# Altium PCB DCAR_Motors_Relays.PcbDoc (part 4 of 4) (continued)
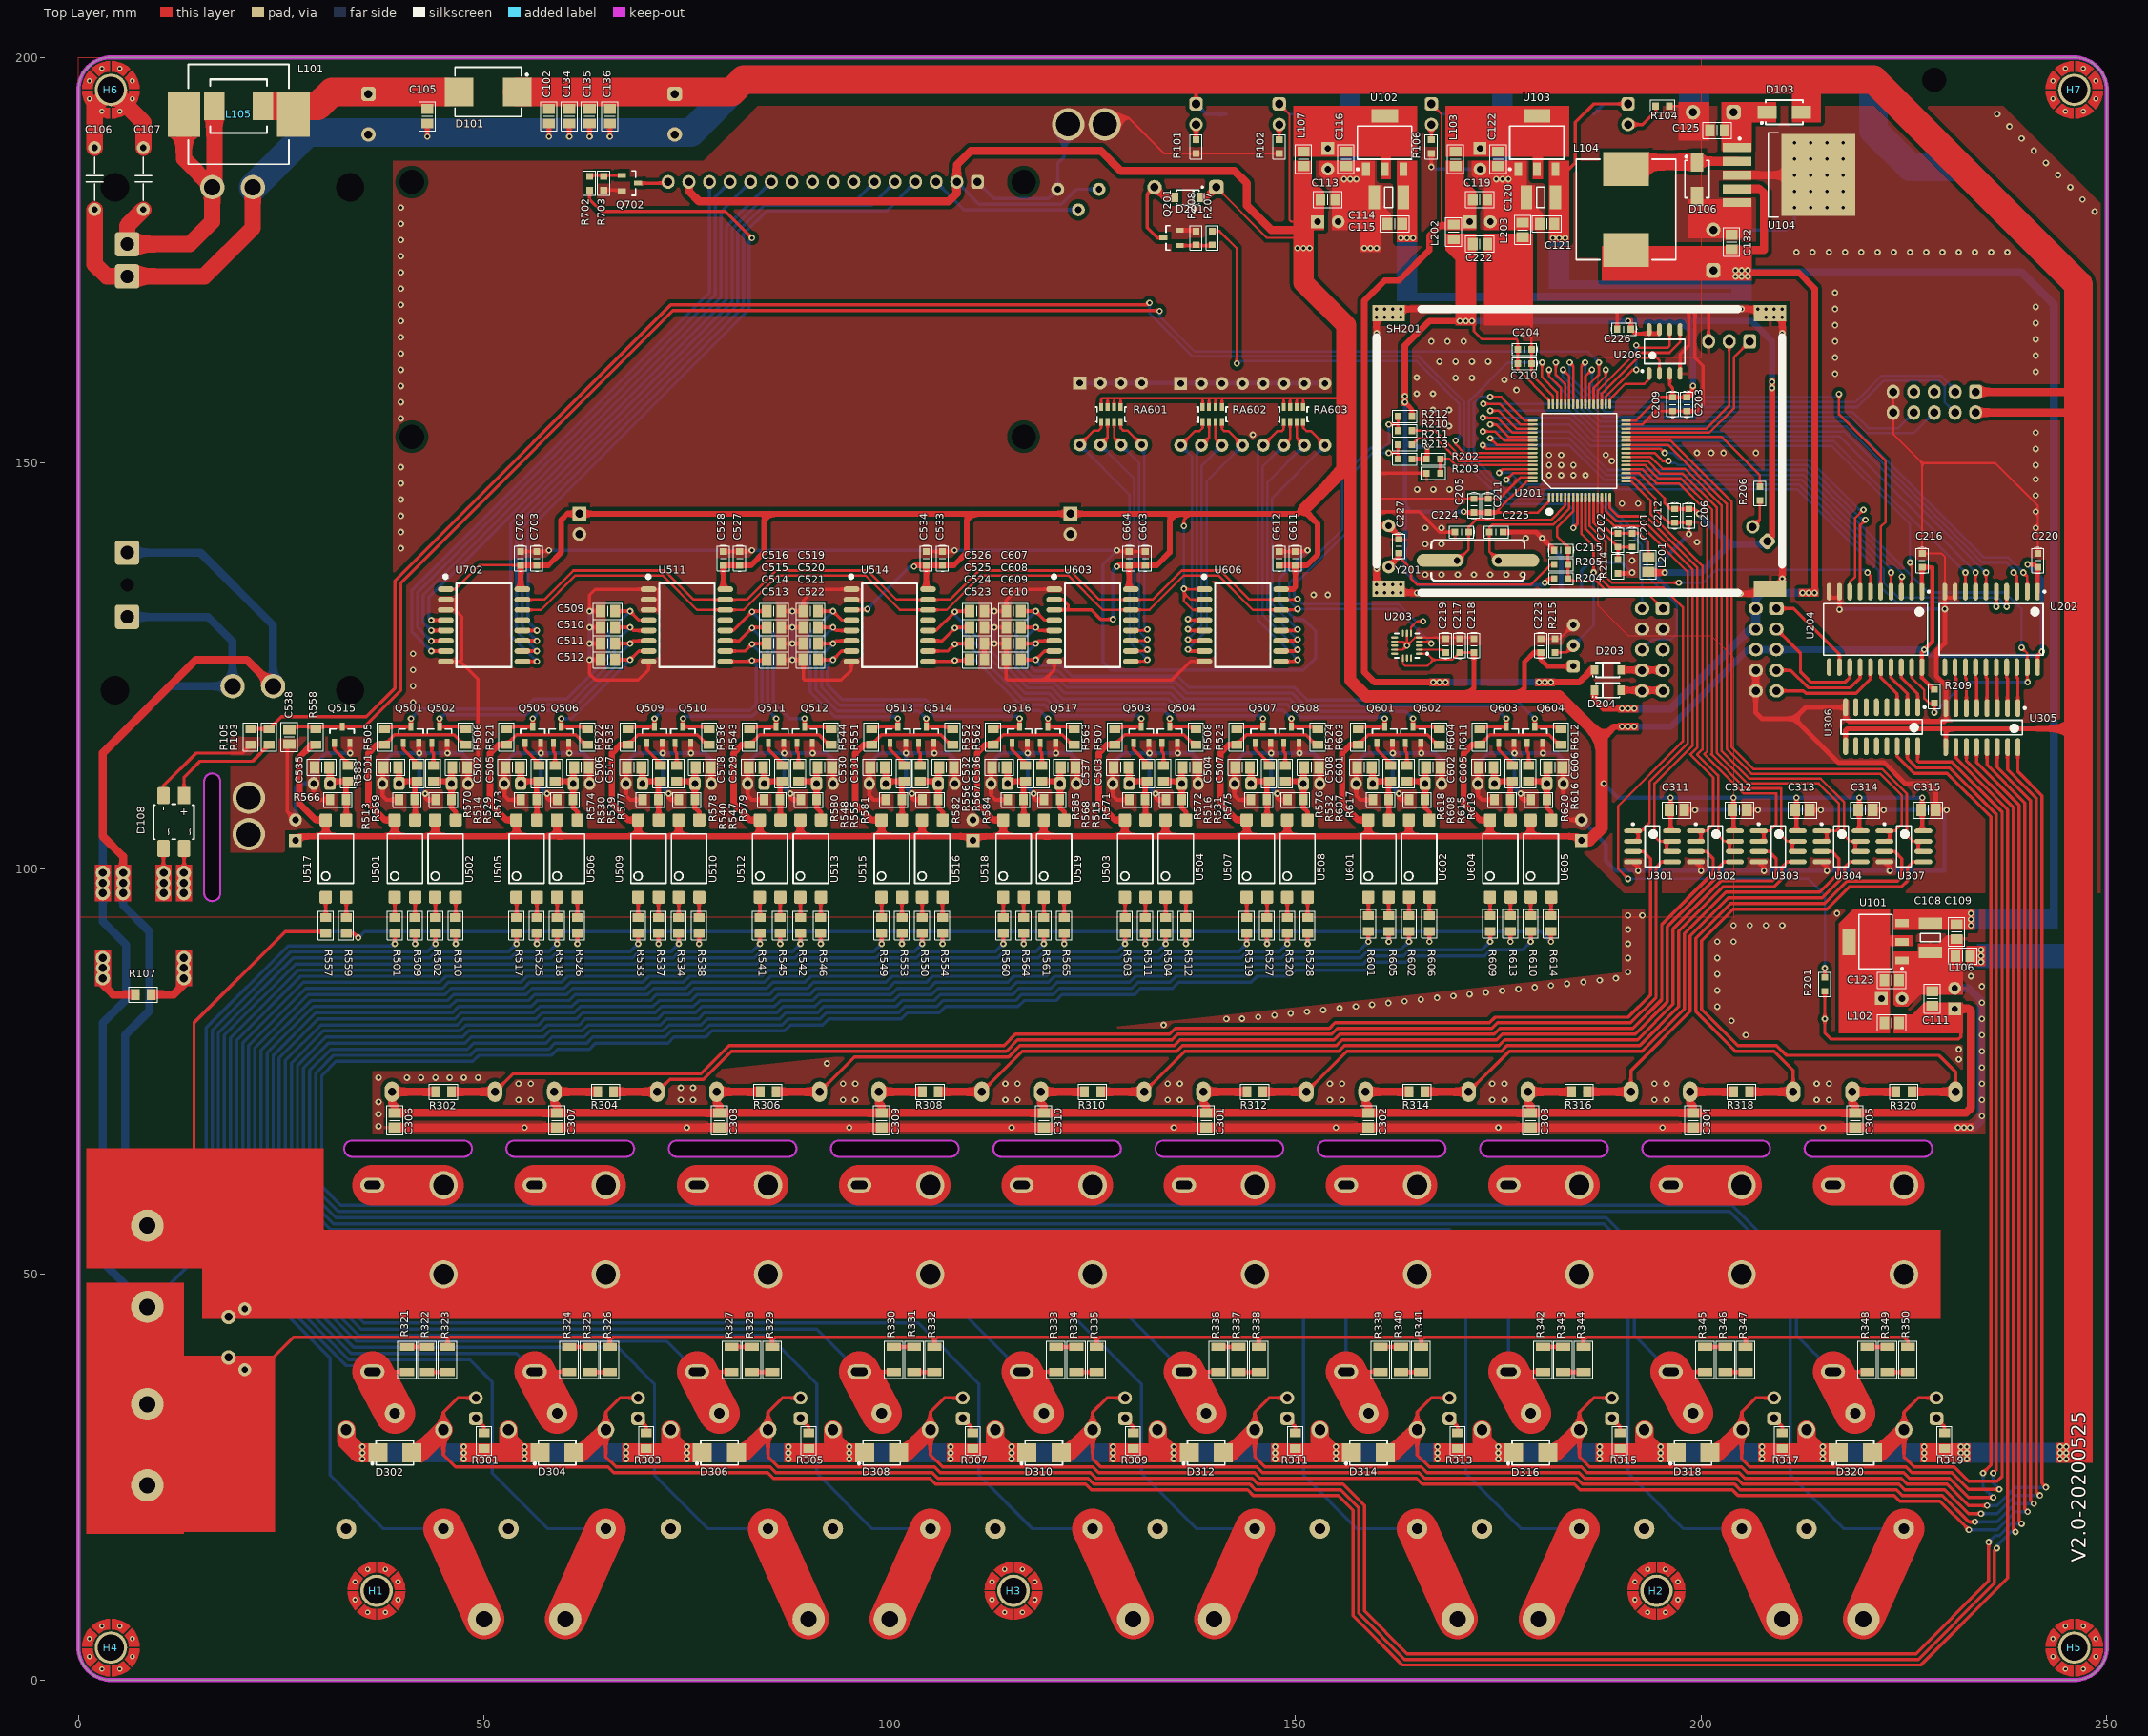
[diagram p0: Top Layer view]
## Nets (pads, with @x,y where several pads share a name; then routed paths per layer and width w, separated by ;. In a path a pad name is that pad's centre, name@x,y a point inside that pad or via, vN(x,y) a via of type N, cw(c..) or ccw(c..) an arc to the next point about the centre after c; other vN are vias at no path point) (continued)
  Bottom Layer w0.4: v1(71,118.5) 72,119.5 82.76,119.5 83.55,120.29 83.55,125.15 v1(83.025,125.675)
SAC13: C515.2 Q511.3 R543.1 U511.11 | length 22.6
  Top Layer w0.4: U511.11@79.725,128.095 81.445,128.095 83.1,129.75 C515.2@84.85,129.75 ; R543.1@82.75,117.225 83.025,117.5 Q511.3@86,117.5 v1(86,118.5)
  Bottom Layer w0.4: v1(83.025,129.675) 84.95,127.75 84.95,119.55 v1(86,118.5)
SAC14: C519.2 Q513.3 R551.1 U514.4 | length 32.2
  Top Layer w0.4: C519.2@91.15,131.75 v1(93,131.75) 94.115,130.635 U514.4@95.275,130.635 ; R551.1@97.75,117.225 98.025,117.5 Q513.3@101,117.5 v1(101,118.5)
  Bottom Layer w0.4: v1(93,131.75) 90.2,128.95 90.2,121.8 93.25,118.75 100.75,118.75 v1(101,118.5)
SAC15: C521.2 Q516.3 R562.1 U514.6 | length 40.6
  Top Layer w0.4: C521.2@91.15,127.75 v1(93,127.75) 93.345,128.095 U514.6@95.275,128.095 ; R562.1@112.75,117.225 113.025,117.5 Q516.3@116,117.5 v1(116,118.5)
  Bottom Layer w0.4: v1(93,127.75) 91.6,126.35 91.6,122.38 93.83,120.15 104.123,120.15 105.473,118.8 115.7,118.8 v1(116,118.5)
SAC16: C523.2 Q503.3 R507.1 U514.9 | length 35.5
  Top Layer w0.4: U514.9@104.725,125.555 107.905,125.555 v1(108.025,125.675) 109.775,125.675 C523.2@109.85,125.75 ; R507.1@127.75,117.225 128.025,117.5 Q503.3@131,117.5 v1(131,118.5)
  Bottom Layer w0.4: v1(108.025,125.675) 110.635,125.675 116.11,120.2 119.073,120.2 120.423,118.85 130.65,118.85 v1(131,118.5)
SAC17: C525.2 Q507.3 R523.1 U514.11 | length 52.8
  Top Layer w0.4: U514.11@104.725,128.095 106.445,128.095 108.1,129.75 C525.2@109.85,129.75 ; R523.1@142.75,117.225 143.025,117.5 Q507.3@146,117.5 v1(146,118.5)
  Bottom Layer w0.4: v1(108.025,129.675) 108.615,129.675 116.69,121.6 119.653,121.6 121.003,120.25 134.023,120.25 135.423,118.85 145.65,118.85 v1(146,118.5)
SAC18: C607.2 Q601.3 R603.1 U603.4 | length 65
  Top Layer w0.4: C607.2@116.15,131.75 v1(118,131.75) 119.115,130.635 U603.4@120.275,130.635 ; R603.1@157.75,117.225 158.025,117.5 Q601.3@161,117.5 v1(161,118.5)
  Bottom Layer w0.4: v1(118,131.75) 115.6,129.35 115.6,124.67 117.27,123 120.233,123 121.583,121.65 134.603,121.65 136.003,120.25 149.023,120.25 150.573,118.7 160.8,118.7 v1(161,118.5)
SAC19: C609.2 Q603.3 R611.1 U603.6 | length 73.3
  Top Layer w0.4: C609.2@116.15,127.75 v1(118,127.75) 118.345,128.095 U603.6@120.275,128.095 ; R611.1@172.75,117.225 173.025,117.5 Q603.3@176,117.5 v1(176,118.5)
  Bottom Layer w0.4: v1(118,127.75) 117,126.75 117,125.25 117.85,124.4 120.812,124.4 122.162,123.05 135.183,123.05 136.583,121.65 149.603,121.65 151.153,120.1 174.4,120.1 v1(176,118.5)
SAC20: C510.2 Q502.3 R506.1 U511.5 | length 37.7
  Top Layer w0.4: v1(44.5,118.5) Q502.3@44.5,117.5 47.225,117.5 R506.1@47.5,117.225 ; C510.2@66.15,129.75 v1(68,129.75) 68.385,129.365 U511.5@70.275,129.365
  Bottom Layer w0.4: v1(44.5,118.5) 45,119 55.227,119 56.427,120.2 60.46,120.2 66.055,125.795 66.055,127.805 v1(68,129.75)
SAC21: C512.2 Q506.3 R522.1 U511.7 | length 20.2
  Top Layer w0.4: v1(59.5,118.5) Q506.3@59.5,117.5 62.225,117.5 R522.1@62.5,117.225 ; C512.2@66.15,125.75 v1(68,125.75) 69.075,126.825 U511.7@70.275,126.825
  Bottom Layer w0.4: v1(59.5,118.5) 60.75,118.5 v1(68,125.75)
SAC22: C514.2 Q510.3 R536.1 U511.10 | length 28.2
  Top Layer w0.4: v1(74.5,118.5) Q510.3@74.5,117.5 77.225,117.5 R536.1@77.5,117.225 ; U511.10@79.725,126.825 82.175,126.825 v1(83.025,127.675) 83.1,127.75 C514.2@84.85,127.75
  Bottom Layer w0.4: v1(74.5,118.5) 74.8,118.8 83.05,118.8 84.25,120 84.25,126.45 v1(83.025,127.675)
SAC23: C516.2 Q512.3 R544.1 U511.12 | length 27.2
  Top Layer w0.4: U511.12@79.725,129.365 80.715,129.365 v1(83.025,131.675) 83.1,131.75 C516.2@84.85,131.75 ; v1(89.5,118.5) Q512.3@89.5,117.5 92.225,117.5 R544.1@92.5,117.225
  Bottom Layer w0.4: v1(83.025,131.675) 85.65,129.05 85.65,120.5 87.65,118.5 v1(89.5,118.5)
SAC24: C520.2 Q514.3 R552.1 U514.5 | length 32
  Top Layer w0.4: C520.2@91.15,129.75 v1(93,129.75) 93.385,129.365 U514.5@95.275,129.365 ; v1(104.5,118.5) Q514.3@104.5,117.5 107.225,117.5 R552.1@107.5,117.225
  Bottom Layer w0.4: v1(93,129.75) 90.9,127.65 90.9,122.09 93.54,119.45 103.55,119.45 v1(104.5,118.5)
SAC25: C522.2 Q517.3 R563.1 U514.7 | length 41
  Top Layer w0.4: C522.2@91.15,125.75 v1(93,125.75) 94.075,126.825 U514.7@95.275,126.825 ; v1(119.5,118.5) Q517.3@119.5,117.5 122.225,117.5 R563.1@122.5,117.225
  Bottom Layer w0.4: v1(93,125.75) 92.3,125.05 92.3,122.67 94.12,120.85 104.413,120.85 105.763,119.5 118.5,119.5 v1(119.5,118.5)
SAC26: C524.2 Q504.3 R508.1 U514.10 | length 40.1
  Top Layer w0.4: U514.10@104.725,126.825 107.175,126.825 v1(108.025,127.675) 108.1,127.75 C524.2@109.85,127.75 ; v1(134.5,118.5) Q504.3@134.5,117.5 137.225,117.5 R508.1@137.5,117.225
  Bottom Layer w0.4: v1(108.025,127.675) 109.625,127.675 116.4,120.9 119.363,120.9 120.713,119.55 133.733,119.55 134.5,118.783 v1(134.5,118.5)
SAC27: C526.2 Q508.3 R524.1 U514.12 | length 57.4
  Top Layer w0.4: U514.12@104.725,129.365 105.715,129.365 v1(108.025,131.675) 108.1,131.75 C526.2@109.85,131.75 ; v1(149.5,118.5) Q508.3@149.5,117.5 152.225,117.5 R524.1@152.5,117.225
  Bottom Layer w0.4: v1(108.025,131.675) 108.025,131.255 116.98,122.3 119.943,122.3 121.293,120.95 134.313,120.95 135.713,119.55 148.45,119.55 v1(149.5,118.5)
SAC28: C608.2 Q602.3 R604.1 U603.5 | length 64.8
  Top Layer w0.4: C608.2@116.15,129.75 v1(118,129.75) 118.385,129.365 U603.5@120.275,129.365 ; v1(164.5,118.5) Q602.3@164.5,117.5 167.225,117.5 R604.1@167.5,117.225
  Bottom Layer w0.4: v1(118,129.75) 116.3,128.05 116.3,124.96 117.56,123.7 120.523,123.7 121.873,122.35 134.893,122.35 136.293,120.95 149.313,120.95 150.863,119.4 163.6,119.4 v1(164.5,118.5)
SAC29: C610.2 Q604.3 R612.1 U603.7 | length 73.3
  Top Layer w0.4: C610.2@116.15,125.75 v1(118,125.75) 119.075,126.825 U603.7@120.275,126.825 ; v1(179.5,118.5) Q604.3@179.5,117.5 182.225,117.5 R612.1@182.5,117.225
  Bottom Layer w0.4: v1(118,125.75) 118,125.6 118.5,125.1 121.102,125.1 122.452,123.75 135.473,123.75 136.873,122.35 149.893,122.35 151.443,120.8 177.2,120.8 v1(179.5,118.5)
SPI2_MISO: U201.35 U206.2 | length 12
  Top Layer w0.3: U201.35@187.75,157.25 187.75,158.553 192.197,163 194.5,163 194.865,162.635 U206.2@194.865,161.05
SPI2_MOSI: U201.36 U206.5 | length 15.8
  Top Layer w0.3: U201.36@187.25,157.25 187.25,158.901 191.948,163.6 196.1,163.6 197.405,164.905 U206.5@197.405,166.45
SPI2_NSS: U201.33 U206.1 | length 7.2
  Top Layer w0.3: U201.33@188.75,157.25 188.75,157.856 190.644,159.75 193,159.75 193.595,160.345 U206.1@193.595,161.05
SPI2_SCK: U201.34 U206.6 | length 15.4
  Top Layer w0.3: U201.34@188.25,157.25 188.25,158.204 191.546,161.5 v1(192,161.5) ; v1(192,164.5) 192.3,164.2 195.851,164.2 196.135,164.484 U206.6@196.135,166.45
  Bottom Layer w0.3: v1(192,161.5) v1(192,164.5)
SWCLK: P202.6 U201.49 | length 58.9
  Top Layer w0.3: v1(174,158.15) 175.35,158.15 178.25,155.25 U201.49@179.25,155.25
  Bottom Layer w0.3: v1(174,158.15) 172.798,158.15 172,157.352 172,150.6 176.45,146.15 187.266,146.15 193.33,140.086 193.33,136.17 197,132.5 197,129 196.25,128.25 193.98,128.25 P202.6@192.73,127
SWDIO: P202.2 U201.46 | length 57.3
  Top Layer w0.3: v1(180.4,162.4) 180.4,160.6 182.25,158.75 U201.46@182.25,157.5
  Bottom Layer w0.3: v1(180.4,162.4) 176.199,162.4 171.4,157.601 171.4,150.351 176.201,145.55 187.018,145.55 192.73,139.838 P202.2@192.73,132.08
UART3_RX: P203.2 U201.30 | length 21.8
  Top Layer w0.3: U201.30@190.75,154.25 200.651,154.25 203.46,157.059 P203.2@203.46,165
UART3_TX: P203.1 U201.29 | length 23.6
  Top Layer w0.3: U201.29@190.75,153.75 201,153.75 204.06,156.81 204.06,163.06 P203.1@206,165
UART_RXD: M401.6 U201.43 | length 54.9
  Top Layer w0.3: v1(182.95,161.5) 183.75,160.7 U201.43@183.75,157.5
  Bottom Layer w0.3: v1(182.95,161.5) 182.95,160.656 187.906,155.7 218.393,155.7 220.393,153.7 226.22,153.7 M401.6@228.75,156.23
UART_TXD: M401.8 U201.42 | length 52.7
  Top Layer w0.3: v1(183.8,162.4) 184.25,161.95 U201.42@184.25,157.5
  Bottom Layer w0.3: v1(183.8,162.4) 183.8,160.654 188.154,156.3 218.641,156.3 220.641,154.3 224.28,154.3 M401.8@226.21,156.23
VCC: C119.1 C129.1 D105.1 D203.2 L103.2 L202.1 VCC.1 | length 112.1
  Top Layer w0.25: D105.1@166.75,194.27 168,193.02 168,179.75 168.35,179.4 L202.1@169.5,179.4
  Top Layer w0.8: v1(168.5,123) v1(167.75,123) v1(167,123) 159.75,123 158.5,124.25 158.5,170 161,172.5 162.75,172.5 166.5,176.25 166.5,178 167.75,179.25 169.35,179.25 L202.1@169.5,179.4 ; v1(180,123) v1(180.75,123) v1(181.5,123) 185,123 186.5,124.5 D203.2@186.86,124.5
  Bottom Layer w0.25: D105.1@166.75,194.27 168.02,193 VCC.1@170.5,193
  Bottom Layer w0.8: v1(168.5,123) v1(180,123)
VDD: C203.1 C204.1 C205.1 C206.1 C209.1 C210.1 C211.1 C212.1 C222.1 C226.1 D202.1 L201.1 L202.2 R202.2 R204.2 R212.2 R213.2 U201.1 U201.19 U201.32 U201.48 U201.64 U206.3 U206.7 U206.8 | length 227.9
  Top Layer w0.3: v1(170.75,144) v1@170.85,143.9 ; v1@172,167.5 172,166.25 173,165.25 177.25,165.25 177.4,165.1 C204.1@177.4,164 C210.1@177.4,162.25 177.4,161.6 181.25,157.75 U201.48@181.25,157.5 ; U201.64@179.25,147.75 178.5,147.75 174.65,143.9 179.9,143.9 181.25,145.25 U201.1@181.25,145.75 ; U201.19@190.75,148.75 192.401,148.75 195.5,145.651 ; U201.32@190.75,155.25 192,155.25 194.85,158.1
  Top Layer w0.4: 194.85,158.1 C209.1@196.5,158.1 ; 195.5,145.651 195.5,145.1 196.25,144.35 C212.1@196.75,144.35 C206.1@198.5,144.35 199.15,144.35 v1(199.75,143.75) ; U206.3@196.135,161.05 196.135,159.615 196.5,159.25 C209.1@196.5,158.1 ; C203.1@198.25,158.1 C209.1@196.5,158.1
  Top Layer w0.5: v1(163.5,157.5) 164.35,156.65 R212.2@164.35,155.75 ; R213.2@164.35,150.5 R202.2@166.15,150.5 166.25,150.6 v1(166.25,152) ; v1@170.85,143.9 C205.1@172,143.9 C211.1@173.75,143.9 174.65,143.9 ; v1(180.75,135.25) 181.25,135.75 R204.2@181.9,135.75 ; v1(191,167.5) 191.35,167.65 C226.1@191.35,166.5 191.9,165.95 U206.7@194.865,165.95
  Top Layer w0.8: v1(163.5,157.5) 163.5,164.5 166.5,167.5 v1(170.25,167.5) ; L201.1@193.5,136.6 193.6,136.5 v1(195.5,136.5) ; C203.1@198.25,158.1 199,158.85 v1(199,159.5) ; D202.1@208.148,140.352 208.75,140.954 v1(208.75,159.25)
  Bottom Layer w0.5: v1(163.5,157.5) 163.5,152.75 ; v1(166.25,152) 164.25,152 163.5,152.75 ; v1(170.75,144) 164.25,144 163.5,144.75 ; v1(180.75,135.25) 180.5,135 165.25,135 163.5,136.75 163.5,144.75 ; 163.5,144.75 163.5,152.75
  Bottom Layer w0.8: v1(171.75,167.5) v1(191,167.5) 206.25,167.5 208.75,165 v1(208.75,160) ; v1(195.5,136.5) 200.04,136.5 203.52,139.98 ; 197.5,167.5 199,166 v1(199,159.5) ; v1(199.75,143.75) 203.52,139.98 ; D202.1@208.148,140.352 207.776,139.98 203.52,139.98
  other v1: 163.5,158.25 171,167.5
VDDA: C201.1 C202.1 L201.2 U201.13 | length 12
  Top Layer w0.3: U201.13@187.25,145.75 187.25,143 188.9,141.35 C202.1@189.75,141.35 C201.1@191.5,141.35 192.4,141.35 193.5,140.25 L201.2@193.5,138.4
VSS: C203.2 C204.2 C205.2 C206.2 C209.2 C210.2 C211.2 C212.2 C215.2 C222.2 C224.2 C225.2 C226.2 C227.2 L203.2 P203.3 R203.2 R214.1 SH201.1 SW201.2 U201.18 U201.31 U201.47 U201.63 U206.4 | length 304.4
  Top Layer w0.3: 160,145.75 160.15,145.6 C205.2@172,145.6 C211.2@173.75,145.6 175.1,145.6 177.75,148.25 U201.63@179.25,148.25 ; 179,167.25 179.1,167.15 C204.2@179.1,164 C210.2@179.1,162.25 179.1,160.9 181.75,158.25 U201.47@181.75,157.5 ; U201.18@190.75,148.25 191.75,148.25 194.35,145.65 194.35,144.3 196,142.65 C212.2@196.75,142.65 C206.2@198.5,142.65 v1(198.5,141.25) ; U201.31@190.75,154.75 192.75,154.75 194.4,156.4 C209.2@196.5,156.4 C203.2@198.25,156.4
  Top Layer w0.4: 160,144 165.25,144 167.75,141.5 C224.2@169.65,141.5 ; v1@160,148.75 R203.2@166.15,148.75 ; 189.5,169 189.65,168.85 C226.2@189.65,166.5 ; U206.4@197.405,161.05 197.405,163.405 198.5,164.5 198.5,169 ; C203.2@198.25,156.4 199.4,156.4 200.25,157.25 200.25,162 199.25,163 v1@199.25,169 ; P203.3@200.92,165 200.92,168.92 v1(201,169)
  Top Layer w0.5: R214.1@189.75,136.4 191.4,136.4 v1(191.5,136.5)
  Top Layer w0.6: 160,142.25 160.04,142.29 SW201.2@161.5,142.29 162.75,141.04 C227.2@162.75,140.6 ; C225.2@175.6,141.5 179.65,141.5 v1(180.4,140.75) C215.2@181.9,139.25
  Top Layer w0.8: SH201.1@162.1,133.9 SH201.1@161.5,134.5 160.5,134.5 v1(160,135) 160,142.25 160,144 160,145.75 160,148.75 160,167.75 160.75,168.5 SH201.1@161.5,168.5 v1(162,169) v1(166.5,169) ; SH201.1@162.1,134 185.9,134 ; C222.2@173.65,177 176.75,173.9 176.75,171 v1(178.75,169) 189.5,169 198.5,169 199.25,169 v1(201,169) v1(208,169) SH201.1@208.5,168.5 209.5,168.5 v1(210,168) 210,134.75 209.75,134.5 SH201.1@208.5,134.5 207.9,133.9 v1(204.85,133.9)
  Bottom Layer w0.4: v1(185,134) 185.25,134.25 185.25,136.75 186.25,137.75 190.25,137.75 v1(191.5,136.5)
  Bottom Layer w0.5: v1(198.5,141.25) 194.25,137 194.25,136.25 196.6,133.9 v1(204.85,133.9)
  Bottom Layer w0.6: v1(180.4,140.75) 182.75,138.4 182.75,134.25 v1(183,134)
  Bottom Layer w0.8: v1(167.25,169) v1(178,169)
  other v1: 160,134 161,134 162,134 163,134 165,134 167,134 169,134 171,134 173,134 175,134 177,134 179,134 181,134 161,135 162,135 163,135 210,135.75 166,136.25 168,136.25 170,136.25 172,136.25 174,136.25 176,136.25 178,136.25 160,137 191.5,138 210,138 160,139 166,140 168,140 210,140 199.5,140.25 178.4,140.75 160,141 166,142 168,142 210,142 160,143 160,145 190.25,145 192.25,145 165,146.75 167,146.75 169,146.75 160,147 181.25,148.5 182.75,148.5 184.25,148.5 185.75,148.5 160,149 181.25,149.75 182.75,149.75 184.25,149.75 189,150.25 181.25,151 182.75,151 188.25,151 199.5,151.25 201.25,151.25 202.75,151.25 206.75,151.25 210,151.25 160,153 168.95,154.55 160,155 166.95,156.55 168.95,156.55 160,157 164.95,158.55 166.95,158.55 160,159 177.25,159 210,160 175.75,160.25 169.75,160.5 171.75,160.5 164.95,160.55 160,161 210,162 167.75,162.5 169.75,162.5 171.75,162.5 173.75,162.5 210,164 166.75,165 168.75,165 170.75,165 160,166 210,166 160,168 161,168 162,168 163,168 208,168 209,168 160,169 161,169 163,169 174,169 176,169 181,169 183,169 185,169 187,169 189,169 191,169 193,169 195,169 197,169 199,169 203,169 205,169 207,169 209,169 210,169
VSSA: C201.2 C202.2 R214.2 U201.12 | length 10.6
  Top Layer w0.3: U201.12@186.75,145.75 186.75,142.65 C202.2@189.75,139.65 ; R214.2@189.75,138.1 C202.2@189.75,139.65 ; C201.2@191.5,139.65 C202.2@189.75,139.65
pads on no net: H1.1 H2.1 H3.1 H4.1 H5.1 H7.1 LCD702.7 LCD702.8 LCD702.9 LCD702.10 LCD702.HOLE LCD702.HOLF LCD702.HOLG LCD702.HOLH M401.5 M401.7 M401.HOLE P102.2 P104.HOLE P202.5 RL301.3 RL302.3 RL303.3 RL304.3 RL305.3 RL306.3 RL307.3 RL308.3 RL309.3 RL310.3 U201.2 U201.3 U201.4 U201.41 U202.11 U203.3 U203.8 U203.9 U203.11 U203.13 U203.15 U203.16 U204.11 U306.4 U306.5 U306.6 U306.7 U306.10 U306.11 U306.12 U306.13 U511.13 U514.13 U603.13 U606.13 U702.13
copper on no net:
  other v2: 2.9,1.35 5.1,1.35 244.9,1.35 247.1,1.35 1.35,2.9 6.65,2.9 243.35,2.9 248.65,2.9 1.35,5.1 6.65,5.1 243.35,5.1 248.65,5.1 2.9,6.65 5.1,6.65 244.9,6.65 247.1,6.65 35.65,8.35 37.85,8.35 114.15,8.35 116.35,8.35 193.4,8.35 195.6,8.35 34.1,9.9 39.4,9.9 112.6,9.9 117.9,9.9 191.85,9.9 197.15,9.9 34.1,12.1 39.4,12.1 112.6,12.1 117.9,12.1 191.85,12.1 197.15,12.1 35.65,13.65 37.85,13.65 114.15,13.65 116.35,13.65 193.4,13.65 195.6,13.65 244.9,193.35 247.1,193.35 243.35,194.9 248.65,194.9 243.35,197.1 248.65,197.1 244.9,198.65 247.1,198.65

## Polygon pours and split planes (outlines as drawn)
GND on Top Layer "TOP" (solid, remove dead copper, shelved, pour order 0): 0,200 200,200 200,163 187.25,163 187.25,132.5 191,128.75 201.25,128.75 204,126 204,94 0,94
VSS on Top Layer "VSS-TOP" (solid, remove dead copper, pour order 6): 159.5,169.5 210.5,169.5 210.5,133.5 159.5,133.5
GND18 on Top Layer "GND18-TOP" (solid, remove dead copper, pour order 10): 36.25,67.25 36.25,75 76.35,75 190.25,87.25 190.25,95 213.5,95 235,95 235,67.25
GND on Top Layer "GND-TOP" (solid, remove dead copper, pour order 16): 250,97 190.5,97 185.5,102 18.75,102 18.75,116.25 38.75,116.25 38.75,187.25 77,187.25 82.25,192.5 83.75,194 100.25,194 237.25,194 250,181.25
GND on Bottom Layer "BOT" (solid, remove dead copper, shelved, pour order 4): 0,200 200,200 200,163 187.25,163 187.25,132.5 191,128.75 201.25,128.75 204,126 204,94 0,94
VSS on Bottom Layer "VSS-BOT" (solid, remove dead copper, pour order 8): 159.5,169.5 210.5,169.5 210.5,133.5 159.5,133.5
GND18 on Bottom Layer "GND18-BOT" (solid, remove dead copper, pour order 14): 36.25,67.25 36.25,75 76.35,75 190.25,87.25 190.25,95 213.5,95 235,95 235,67.25
GND on Bottom Layer "GND-BOT" (solid, remove dead copper, pour order 18): 249.75,97 190.25,97 185.25,102 18.75,102 18.75,116.25 38.75,116.25 38.75,187.25 77,187.25 83.75,194 100,194 237,194 249.75,181.25

## Keep-outs
Keep-Out Layer:
  lines w0.254: 15.5,97 ccw(c16.5,97) 17.5,97 17.5,110.75 ccw(c16.5,110.75) 15.5,110.75 15.5,97 ; 33.75,64.5 cw(c33.75,65.5) 33.75,66.5 47.5,66.5 cw(c47.5,65.5) 47.5,64.5 33.75,64.5 ; 53.75,64.5 cw(c53.75,65.5) 53.75,66.5 67.5,66.5 cw(c67.5,65.5) 67.5,64.5 53.75,64.5 ; 73.75,64.5 cw(c73.75,65.5) 73.75,66.5 87.5,66.5 cw(c87.5,65.5) 87.5,64.5 73.75,64.5 ; 93.75,64.5 cw(c93.75,65.5) 93.75,66.5 107.5,66.5 cw(c107.5,65.5) 107.5,64.5 93.75,64.5 ; 113.75,64.5 cw(c113.75,65.5) 113.75,66.5 127.5,66.5 cw(c127.5,65.5) 127.5,64.5 113.75,64.5 ; 133.75,64.5 cw(c133.75,65.5) 133.75,66.5 147.5,66.5 cw(c147.5,65.5) 147.5,64.5 133.75,64.5 ; 153.75,64.5 cw(c153.75,65.5) 153.75,66.5 167.5,66.5 cw(c167.5,65.5) 167.5,64.5 153.75,64.5 ; 173.75,64.5 cw(c173.75,65.5) 173.75,66.5 187.5,66.5 cw(c187.5,65.5) 187.5,64.5 173.75,64.5 ; 193.75,64.5 cw(c193.75,65.5) 193.75,66.5 207.5,66.5 cw(c207.5,65.5) 207.5,64.5 193.75,64.5 ; 213.75,64.5 cw(c213.75,65.5) 213.75,66.5 227.5,66.5 cw(c227.5,65.5) 227.5,64.5 213.75,64.5
  lines w0.5: 0,4 ccw(c4,4) 4,0 246,0 ccw(c246,4) 250,4 250,196 ccw(c246,196) 246,200 4,200 ccw(c4,196) 0,196 0,4

## Other copper
Top Layer:
  rectangle net ACN: 1,18.25 24.25,40
  region net VSS: 167.75,168.6 167.75,169.4 166,169.4 166,168.6
  region net VSS: 179.25,168.6 179.25,169.4 177.5,169.4 177.5,168.6
  region net VDD: 163.9,158.75 163.1,158.75 163.1,157 163.9,157
  rectangle net VDD: 208.35,158.75 209.15,160.5
  region net 3V3_EXT: 189.75,118 189.75,117 192.25,117 192.25,118
  region net 5V: 212,134.5 212,133.5 214.5,133.5 214.5,134.5
  region net 5V: 189.75,120.25 189.75,119.25 192.25,119.25 192.25,120.25
  region net VCC: 166.5,123.5 166.5,122.5 169,122.5 169,123.5
  region net VCC: 179.5,123.5 179.5,122.5 182,122.5 182,123.5
  rectangle net ACN: 1,18 13,49
  rectangle net ACL: 1,50.75 30.25,65.549
  rectangle net 12V: 227,26.85 233.25,29.15
  rectangle net 12V: 187,26.85 195.5,29.15
  rectangle net 12V: 147,26.85 155.5,29.15
  rectangle net 12V: 107,26.85 114.25,29.15
  rectangle net 12V: 67,26.85 75.5,29.15
  rectangle net ACL: 15.25,44.5 229.5,55.5
  rectangle net 12V: 34.5,26.85 35.5,29.15
  rectangle net 12V: 47,26.85 55.5,29.15
  rectangle net 12V: 87,26.85 95.5,29.15
  rectangle net 12V: 74.5,26.85 75.5,29.15
  rectangle net 12V: 127,26.85 135.5,29.15
  rectangle net 12V: 114.5,26.85 115.5,29.15
  rectangle net 12V: 167,26.85 175.5,29.15
  rectangle net 12V: 154.5,26.85 155.5,29.15
  rectangle net 12V: 207,26.85 215.5,29.15
  rectangle net 12V: 194.5,26.85 195.5,29.15
  region net 12V: 248.25,29.25 243.75,29.25 243.75,26.75 248.25,26.75
  rectangle net ACL: 4.5,96 6.5,100.5
  rectangle net ACN: 2,96 4,100.5
  rectangle net NetD108_1: 9.5,96 11.5,100.5
  rectangle net NetD108_2: 12,96 14,100.5
  rectangle net NetR107_1: 12,85.5 14,90
  rectangle net NetR107_2: 2,85.5 4,90
  region net VDD: 172.25,167 169.75,167 169.75,175 168.5,176.25 168.5,178.25 172.25,178.25
  region net GND: 160.5,176 158,176 158,179 160.5,179
  region net 3V3_EXT: 149.75,187.25 152,187.25 152,185 153.5,183.5 153.5,178.75 149.75,178.75
  region net 5V: 165,187.25 162.5,187.25 162.5,177.25 165,177.25
  region net NetC116_1: 149.75,187.75 160.5,187.75 160.5,185 161.75,185 161.75,187.75 165,187.75 165,194 149.75,194
  region net GND: 159.75,187.25 153,187.25 153,185.5 154.5,184 154.5,178.75 161.75,178.75 161.75,180.75 160.75,181.75 160.75,184.25 159.75,184.25
  region net VSS: 179.25,167 173.25,167 173.25,178.25 179.25,178.25
  region net VCC: 168.5,187.25 170.75,187.25 170.75,185 172.25,183.5 172.25,178.75 168.5,178.75
  region net 5V: 183.75,187.25 181.25,187.25 181.25,177.25 183.75,177.25
  region net NetC122_1: 168.5,187.75 179.25,187.75 179.25,185 180.5,185 180.5,187.75 183.75,187.75 183.75,194 168.5,194
  region net GND: 178.5,187.25 171.75,187.25 171.75,185.5 173.25,184 173.25,178.75 180.5,178.75 180.5,180.75 179.5,181.75 179.5,184.25 178.5,184.25
  region net GND: 198.5,182.5 206.25,182.5 206.25,177.75 198.5,177.75
  region net 5V: 187.75,172.5 206.25,172.5 206.25,176.75 187.75,176.75
  region net NetC124_1: 202.5,188.5 206.25,188.5 206.25,192 209.25,192 209.25,194.5 202.5,194.5
  region net 12V: 211.25,192 214.75,192 214.75,196.25 211.25,196.25
  region net GND: 201,189.75 201,194.5 197.25,194.5 197.25,189.75
  region net GND18: 223.75,89.75 223.75,83.25 224,83 225.5,83 227,84.5 232.25,84.5 232.25,91.75 230.25,91.75 229.25,90.75 226.75,90.75 226.75,89.75
  region net NetC110_1: 223.25,79.75 223.25,90.5 226,90.5 226,91.75 223.25,91.75 223.25,95 218.75,95 217,93.25 217,79.75
  region net 5V: 223.75,95 223.75,92.5 233.75,92.5 233.75,95
  region net 1V8: 223.75,79.75 223.75,82 226,82 227.5,83.5 232.25,83.5 232.25,79.75
  region net GND: 235,90.5 235,88 232.75,88 232.75,90.5
  region net GND18: 231.15,68.6 233.65,68.6 233.65,67.6 231.15,67.6
  region net 3V3_EXT: 152.25,176 149.75,176 149.75,179.25 152.25,179.25
  pour cut-out: 184.75,187.25 184.75,175.25 196.75,175.25 196.75,187.25
  pour cut-out: 0,200 10,200 10,196 cw(c4,196) 4,190 0,190
  pour cut-out: 250,200 250,190 246,190 cw(c246,196) 240,196 240,200
Bottom Layer:
  region net VSS: 167.75,168.6 167.75,169.4 166,169.4 166,168.6
  region net VSS: 179.25,168.6 179.25,169.4 177.5,169.4 177.5,168.6
  region net VDD: 163.9,158.75 163.1,158.75 163.1,157 163.9,157
  rectangle net VDD: 208.35,158.75 209.15,160.5
  rectangle net VDD: 169.75,167 172.25,168
  region net 3V3_EXT: 189.75,118 189.75,117 192.25,117 192.25,118
  region net 5V: 244,169.5 243,169.5 243,92.5 244,92.5
  region net 5V: 212,134.5 212,133.5 214.5,133.5 214.5,134.5
  region net 5V: 189.75,120.25 189.75,119.25 192.25,119.25 192.25,120.25
  region net VCC: 166.5,123.5 166.5,122.5 169,122.5 169,123.5
  region net VCC: 179.5,123.5 179.5,122.5 182,122.5 182,123.5
  rectangle net 12V: 34.5,26.85 48,29.15
  rectangle net 12V: 54.5,26.85 68,29.15
  rectangle net 12V: 94.5,26.85 108,29.15
  rectangle net 12V: 74.5,26.85 88,29.15
  rectangle net 12V: 134.5,26.85 148,29.15
  rectangle net 12V: 114.5,26.85 128,29.15
  rectangle net 12V: 174.5,26.85 188,29.15
  rectangle net 12V: 154.5,26.85 168,29.15
  rectangle net 12V: 214.5,26.85 228,29.15
  rectangle net 12V: 194.5,26.85 208,29.15
  rectangle net 12V: 231.5,26.75 245.75,29.25
  rectangle net GND: 234,87.75 248.25,90.75
  rectangle net 5V: 232.75,92.5 244,95
  rectangle net GND: 197.25,192 201,197.25
  rectangle net GND: 174.25,184.5 176.75,196.5
  rectangle net GND: 155.5,184.5 158,196.5
  rectangle net ACL: 4.5,96 6.5,100.5
  rectangle net ACN: 2,96 4,100.5
  rectangle net NetD108_1: 9.5,96 11.5,100.5
  rectangle net NetD108_2: 12,96 14,100.5
  rectangle net NetR107_1: 12,85.5 14,90
  rectangle net NetR107_2: 2,85.5 4,90
  region net GND18: 231.15,68.6 233.65,68.6 233.65,67.6 231.15,67.6
  region net 5V: 181.25,178.25 181.25,171.5 206.25,171.5 206.25,174.25 203.75,174.25 203.75,172.5 183.75,172.5 183.75,178.25
  region net 5V: 162.5,178.25 162.5,170 206.25,170 206.25,174.25 203.75,174.25 203.75,171 165,171 165,178.25
  pour cut-out: 184.75,175.25 196.75,175.25 196.75,187.25 184.75,187.25
  pour cut-out: 0,200 10,200 10,196 cw(c4,196) 4,190 0,190
  pour cut-out: 250,200 250,190 246,190 cw(c246,196) 240,196 240,200

## Silkscreen, mask and mechanical layers (free items; w line width, h text height)
Top Overlay:
  text "V2.0-20200525" at 248,14.5 h3 r90
Bottom Overlay:
  circle w0.35: c13,177 r1.75
  circle w0.35: c13,173 r1.75
  region: 214.5,134.5 214.5,137.5 213,136
  region: 200.5,134.5 200.5,137.5 199,136
  lines w0.254: 222.25,166.805 231.5,166.805 ; 226.25,121.25 226.25,121.25 ; 226.25,121.25 226.25,121.25 ; 222.25,162.055 222.25,171.75 231.5,171.75 231.5,162.055 222.25,162.055
  lines w0.3: 198.75,115 198.75,116.5 ; 200.25,116.5 198.75,116.5 ; 214.517,121.025 213.055,122 ; 214.517,122.975 213.055,122 ; 220.75,118.75 220.75,121.25 226.25,121.25 226.25,118.75 ; 221.5,109.5 221.5,118.75 ; 221.5,122 221.5,131.25 221.5,133.75 226.25,133.75 226.25,131.25 ; 198.75,116.5 205.75,109.5 216.5,109.5 ; 213.055,122 216.555,122 ; 216.5,109.5 216.5,118.75 226.25,118.75 ; 216.5,109.5 226.25,109.5 226.25,118.75 ; 216.555,122 226.25,122 226.25,131.25 ; 216.555,122 216.555,131.25 226.25,131.25
  lines w0.35: 11.75,177 14.25,177 ; 13,171.75 13,174.25 ; 13,175.75 13,178.25
  lines w0.4: 124.81,149.31 129.9,149.31 ; 129.275,148.685 129.9,149.31 ; 129.275,149.935 129.9,149.31 ; 137.25,149.25 152.5,149.25 ; 151.875,148.625 152.5,149.25 ; 151.875,149.875 152.5,149.25 ; 129.9,149.31 129.9,149.31 ; 152.5,149.25 152.5,149.25
  lines w1: 20.25,18.25 22,18.25 22,50 20.25,50 ; 20.25,51.75 22,51.75 22,61.75 20.25,61.75
  text "GND" at 127.75,195.25 h4
  text "12V-IN" at 7.5,168.5 h2
  text "GND" at 222.75,167.35 h2 r270
  text "NC" at 224.5,167.35 h2 r270
  text "NC" at 226.25,167.35 h2 r270
  text "PWR" at 228,167.35 h2 r270
  text "12V" at 229.75,167.35 h2 r270
  text "GND" at 222.75,162.55 h2 r270
  text "TXD" at 224.5,162.55 h2 r270
  text "RXD" at 226.25,162.55 h2 r270
  text "RST" at 228,162.55 h2 r270
  text "12V" at 229.75,162.55 h2 r270
  text "3G" at 232.75,162.5 h2.2 r270
  text "UART3" at 206.75,161.5 h2.2
  text "L" at 157.5,159.25 h2
  text "GND" at 200.25,157 h2 r270
  text "RXD" at 202.75,157 h2 r270
  text "TXD" at 205.5,157 h2 r270
  text "H" at 157.75,151.5 h2
  text "4" at 123.56,148.81 h2
  text "7" at 131.9,148.81 h2
  text "0" at 136,148.75 h2
  text "7" at 154.5,148.75 h2
  text "LED-PB2" at 211.25,144.25 h2
  text "ACL" at 11.5,136.75 h2 r270
  text "RESET" at 157.25,136.75 h2
  text "LED" at 225.805,131.75 h2.2
  text "ACN" at 11.5,129.5 h2 r270
  text "5V" at 220.955,129.5 h2
  text "OE" at 225.755,129.5 h2
  text "5V" at 220.955,127.75 h2
  text "LE" at 225.755,127.75 h2
  text "TEMP" at 181.25,127 h2
  text "3V3" at 220.955,126 h2
  text "3V3" at 225.755,126 h2
  text "GND" at 220.955,124.25 h2
  text "CLK" at 225.755,124.25 h2
  text "GND" at 220.955,122.5 h2
  text "SDI" at 225.755,122.5 h2
  text "SWD" at 225.75,119.25 h2.2
  text "DIO" at 220.9,117 h2
  text "RST" at 225.7,117 h2
  text "GND" at 220.9,115.25 h2
  text "GND" at 225.7,115.25 h2
  text "CLK" at 220.9,113.5 h2
  text "NC" at 225.7,113.5 h2
  text "GND" at 27,112 h4
  text "3V3" at 220.9,111.75 h2
  text "3V3" at 225.7,111.75 h2
  text "5V" at 220.9,110 h2
  text "5V" at 225.7,110 h2
  text "ACL" at 23.25,53 h4 r270
  text "5A" at 44.75,45.5 h2
  text "5A" at 64.75,45.5 h2
  text "5A" at 84.75,45.5 h2
  text "5A" at 104.75,45.5 h2
  text "5A" at 124.75,45.5 h2
  text "5A" at 144.75,45.5 h2
  text "5A" at 164.75,45.5 h2
  text "5A" at 184.75,45.5 h2
  text "5A" at 204.75,45.5 h2
  text "5A" at 224.75,45.5 h2
  text "ACN (x3)" at 23.25,20 h4 r270
  text "1" at 41.75,2.25 h7
  text "2" at 71,2.25 h7
  text "3" at 81.75,2.25 h7
  text "4" at 111.25,2.25 h7
  text "5" at 121.75,2.25 h7
  text "6" at 151,2.25 h7
  text "7" at 161.75,2.25 h7
  text "8" at 191,2.25 h7
  text "9" at 201.75,2.25 h7
  text "10" at 234.25,2.25 h7
Top Solder:
  lines w1: 208.2,187.2 212.95,187.2
  lines w4: 36.25,38 39,32.85 ; 36.25,61 45,61 ; 45,18.65 50,7.5 ; 56.25,38 59,32.85 ; 56.25,61 65,61 ; 60,7.5 65,18.65 ; 76.25,38 79,32.85 ; 76.25,61 85,61 ; 85,18.65 90,7.5 ; 96.25,38 99,32.85 ; 96.25,61 105,61 ; 100,7.5 105,18.65 ; 116.25,38 119,32.85 ; 116.25,61 125,61 ; 125,18.65 130,7.5 ; 136.25,38 139,32.85 ; 136.25,61 145,61 ; 140,7.5 145,18.65 ; 156.25,38 159,32.85 ; 156.25,61 165,61 ; 165,18.65 170,7.5 ; 176.25,38 179,32.85 ; 176.25,61 185,61 ; 180,7.5 185,18.65 ; 196.25,38 199,32.85 ; 196.25,61 205,61 ; 205,18.65 210,7.5 ; 216.25,38 219,32.85 ; 216.25,61 225,61 ; 220,7.5 225,18.65
  lines w8: 6.25,56.25 12.75,56.25 32.75,50 225,50 ; 8.5,22.5 8.5,44.25

## Text inside footprints (layer, text, board x,y; h text height)
D108: Top Overlay "~" at 14.55,105.05 h1.6 r90; Top Overlay "~" at 11.95,105.05 h1.6 r90; Top Overlay "-" at 11.25,107.55 h1.6 r90; Top Overlay "+" at 13.55,106.25 h1.6
M401: Mechanical 1 "GND" at 224.33,164.02 h1.6 r90; Mechanical 1 "VIN" at 234.5,154 h1.6 r90; Mechanical 1 "VIN" at 234.5,163.25 h1.6 r90; Mechanical 1 "PRESET" at 231.75,154 h1.6 r90; Mechanical 1 "PWRKEY" at 231.75,167 h1.6 r90; Mechanical 1 "UART_TX" at 229.25,154 h1.6 r90; Mechanical 1 "UART_RX" at 226.75,154 h1.6 r90; Mechanical 1 "USB_DM" at 229.25,166.75 h1.6 r90; Mechanical 1 "USB_DP" at 226.75,166.5 h1.6 r90; Mechanical 1 "GND" at 224.25,154 h1.6 r90